# Altium PCB OMD_60V_REF_2.PcbDoc (part 1 of 6)
Units mm, origin at the board's own origin, x right, y up, seen from the top; angles counter-clockwise.
Board outline 71.95 x 71.94 mm, 6 copper layers (Top Layer, L2, L3, L4, L5, Bottom Layer), stack 2.309 mm thick; 139 components, 113 nets, 809 pads, 9892 vias.
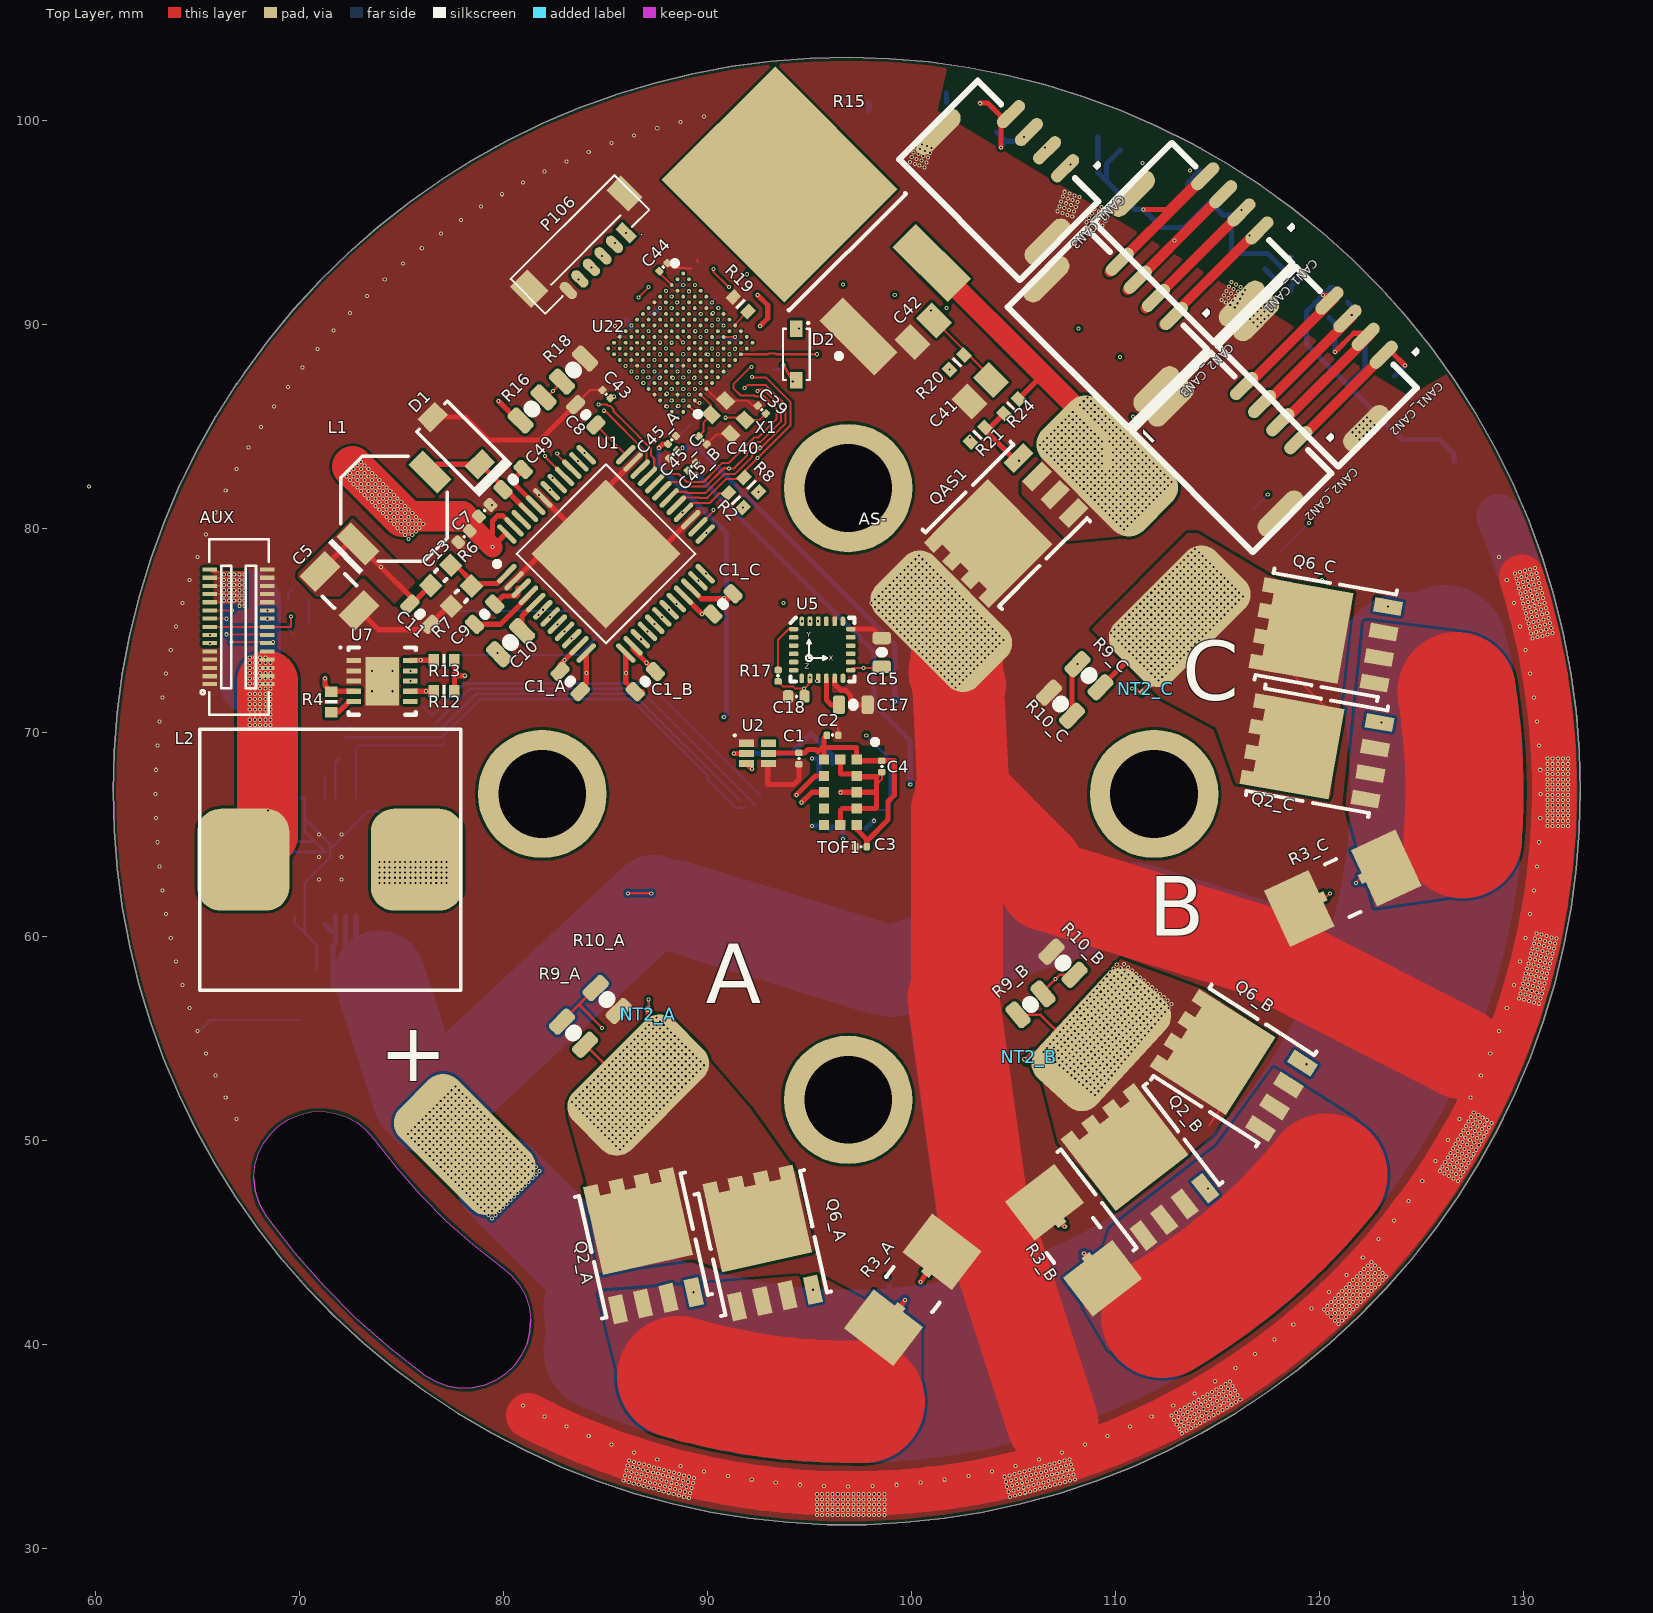
[diagram p0: Top Layer view]
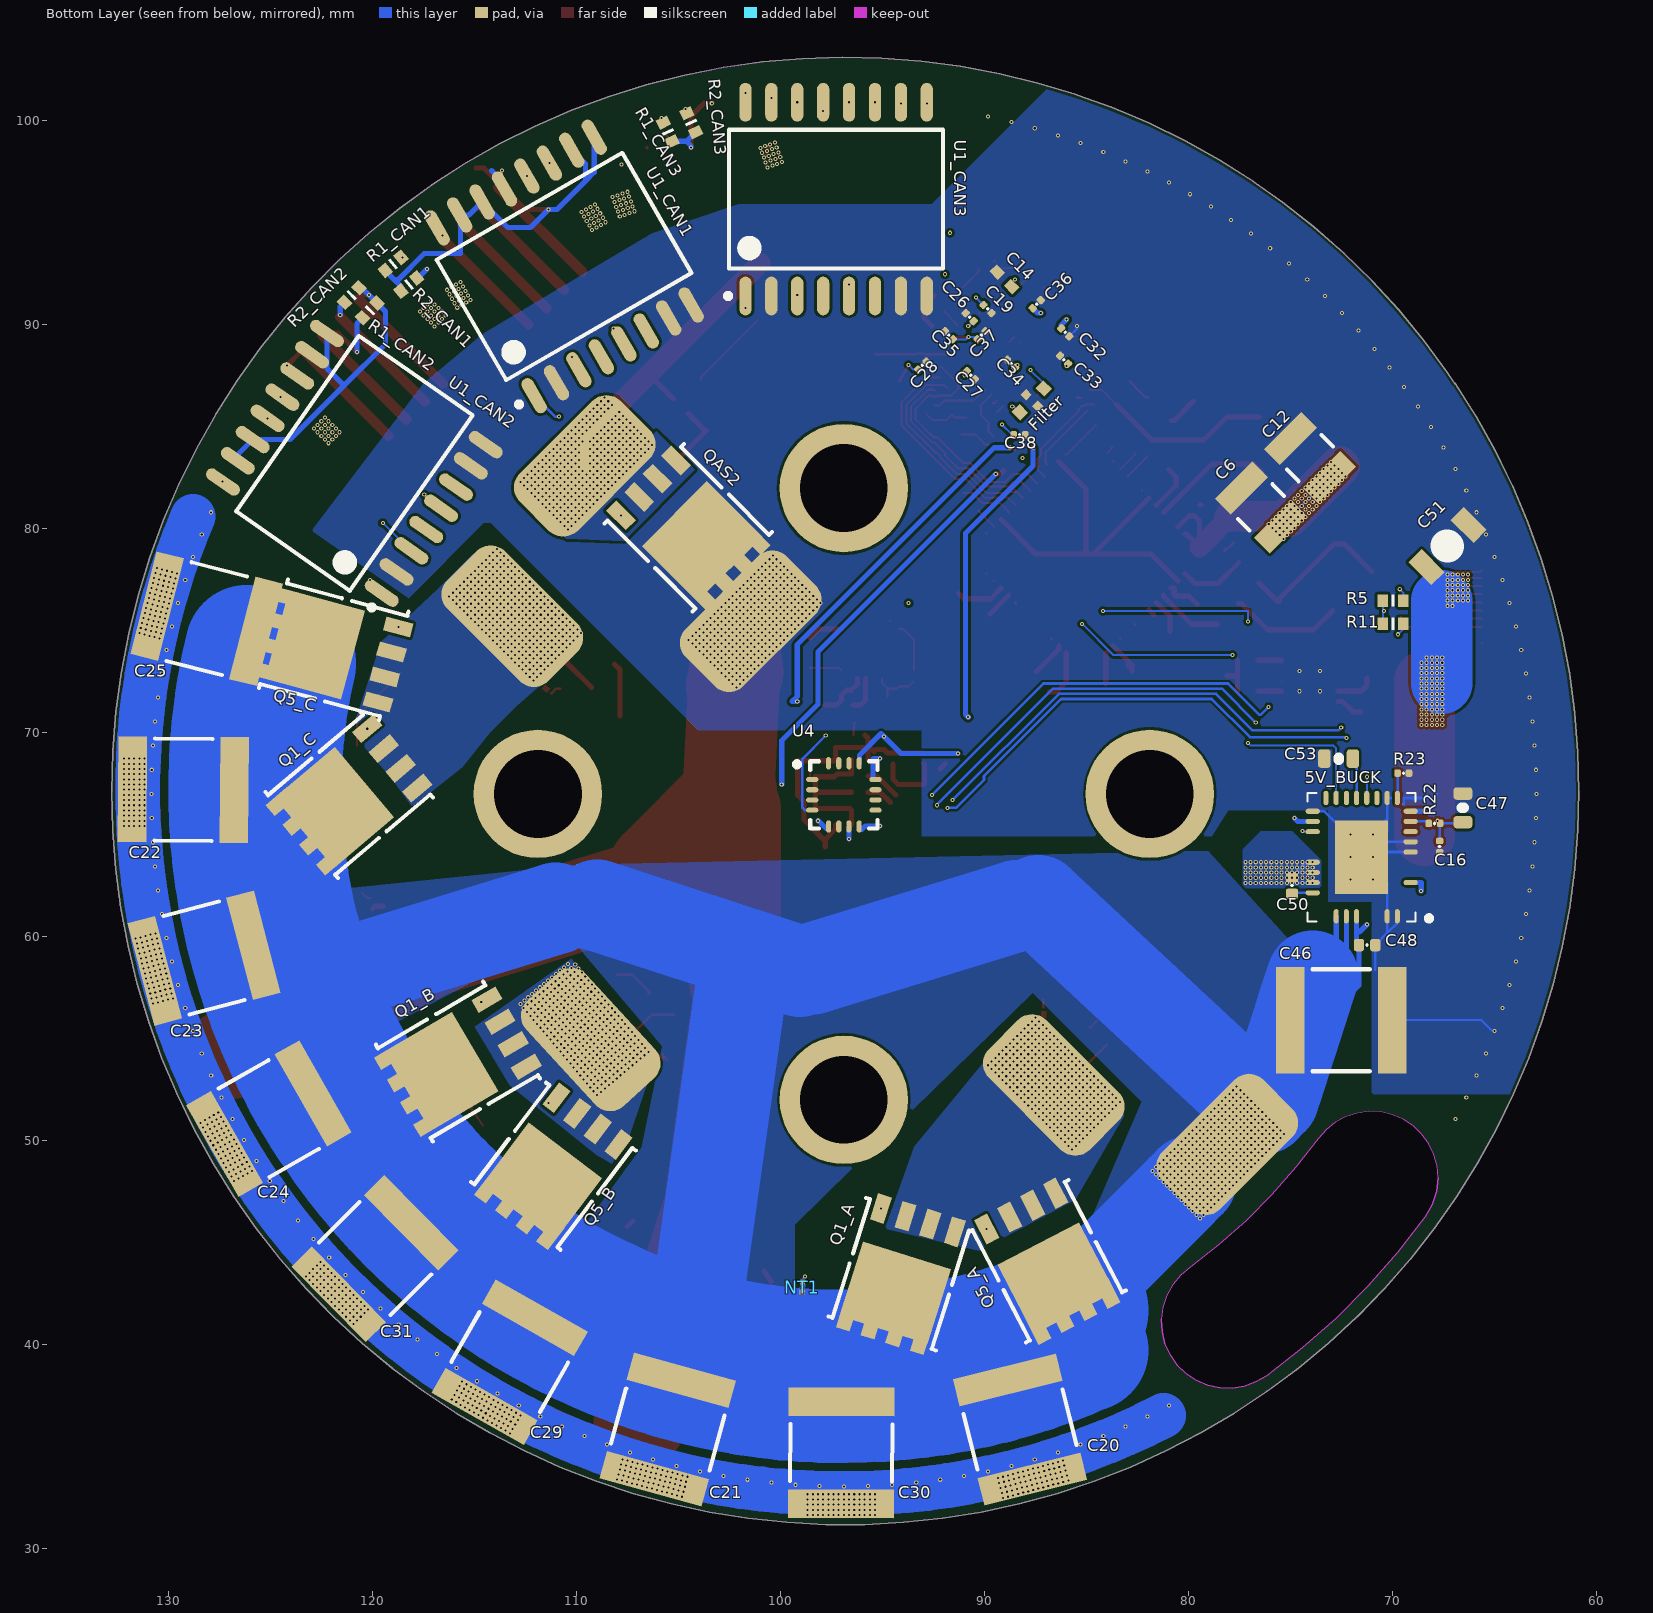
[diagram p1: Bottom Layer view, seen from below]
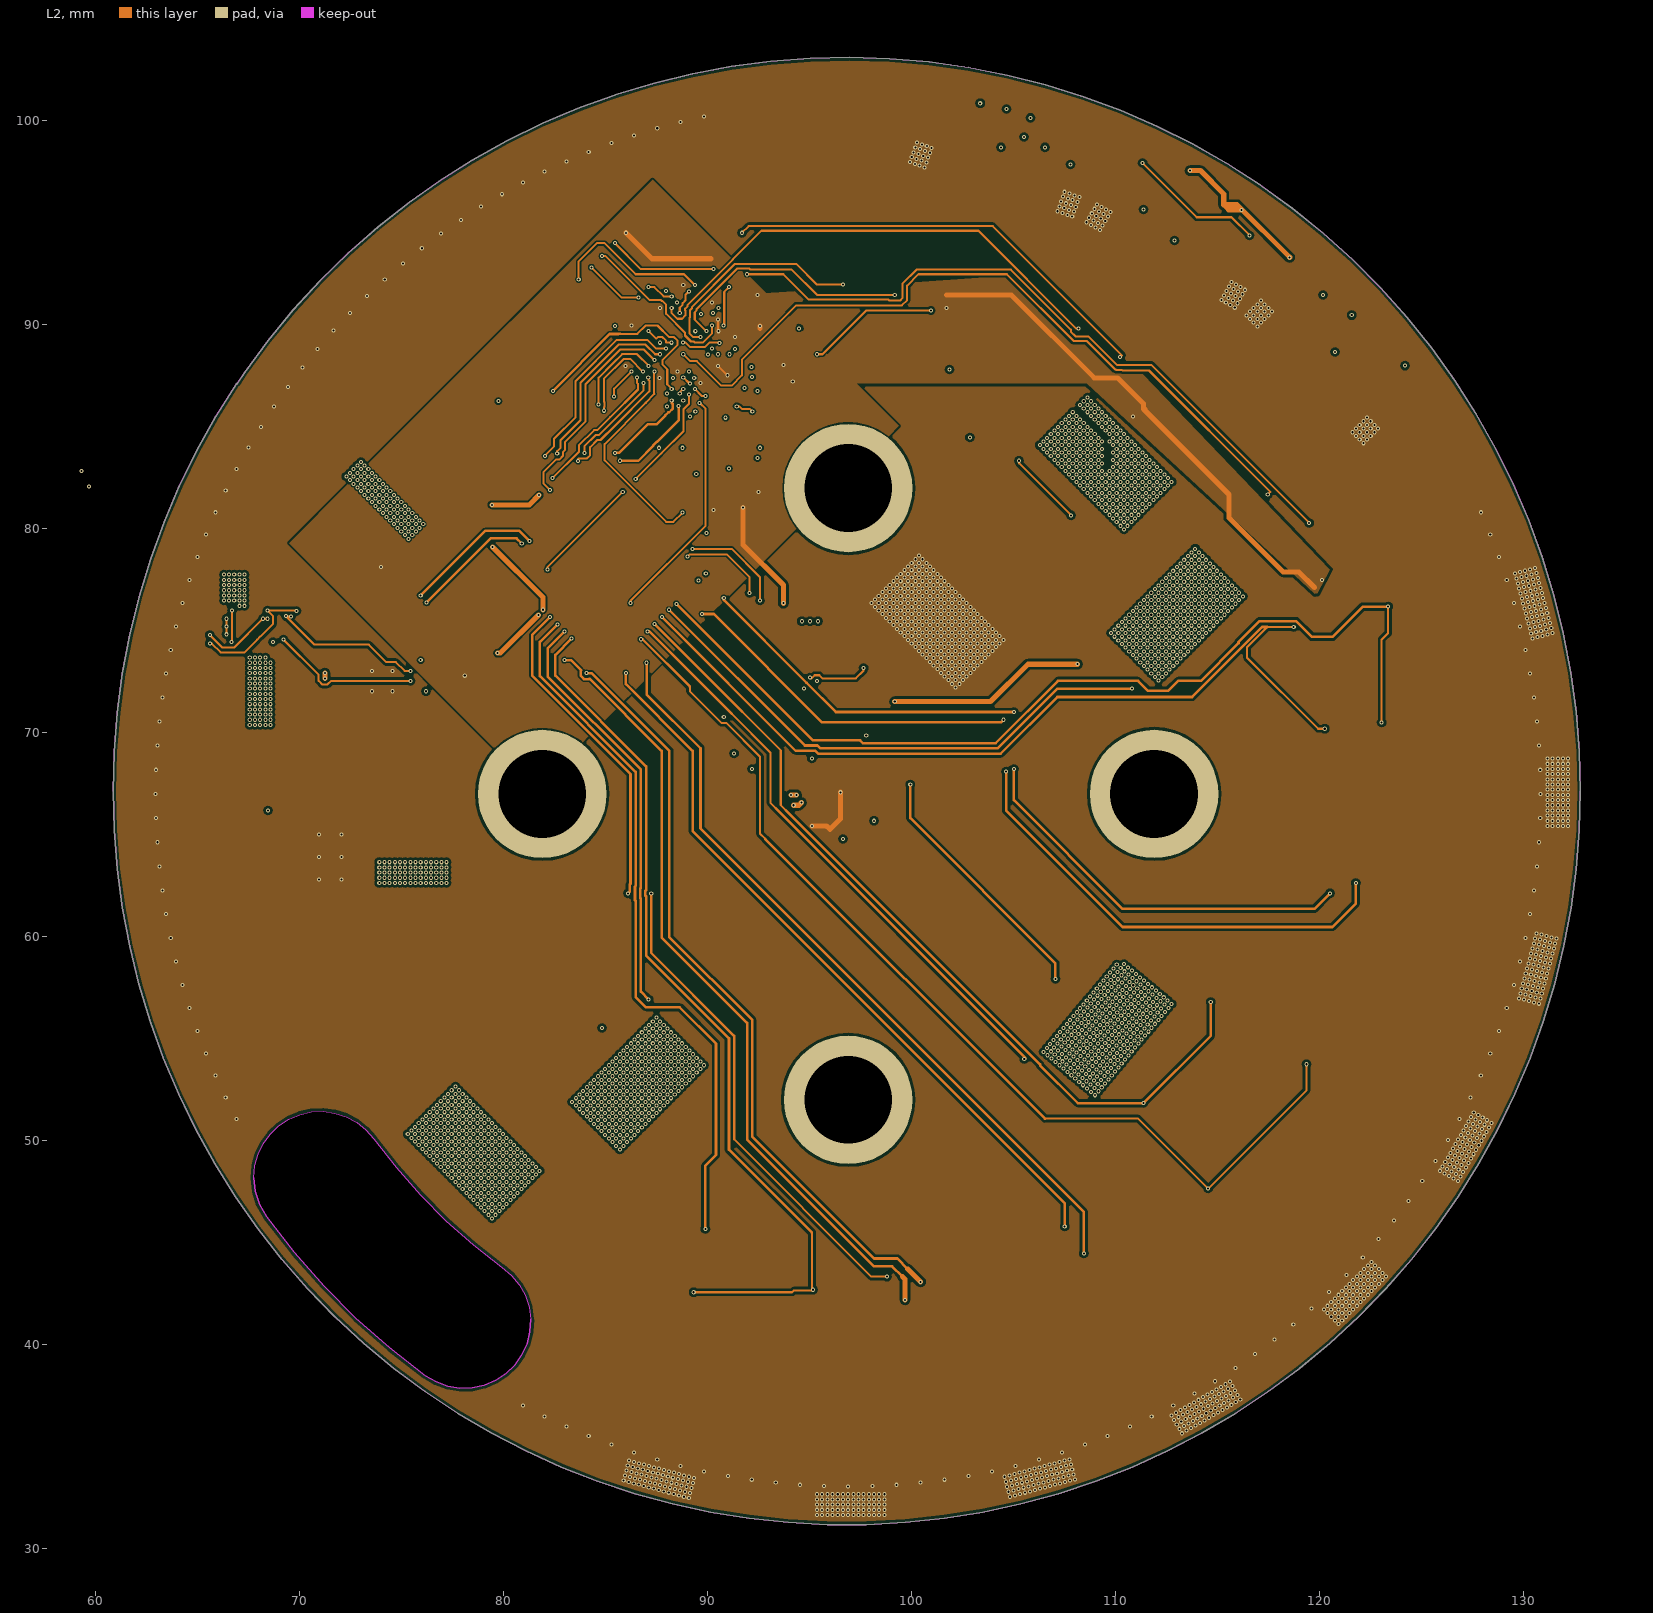
[diagram p2: L2]
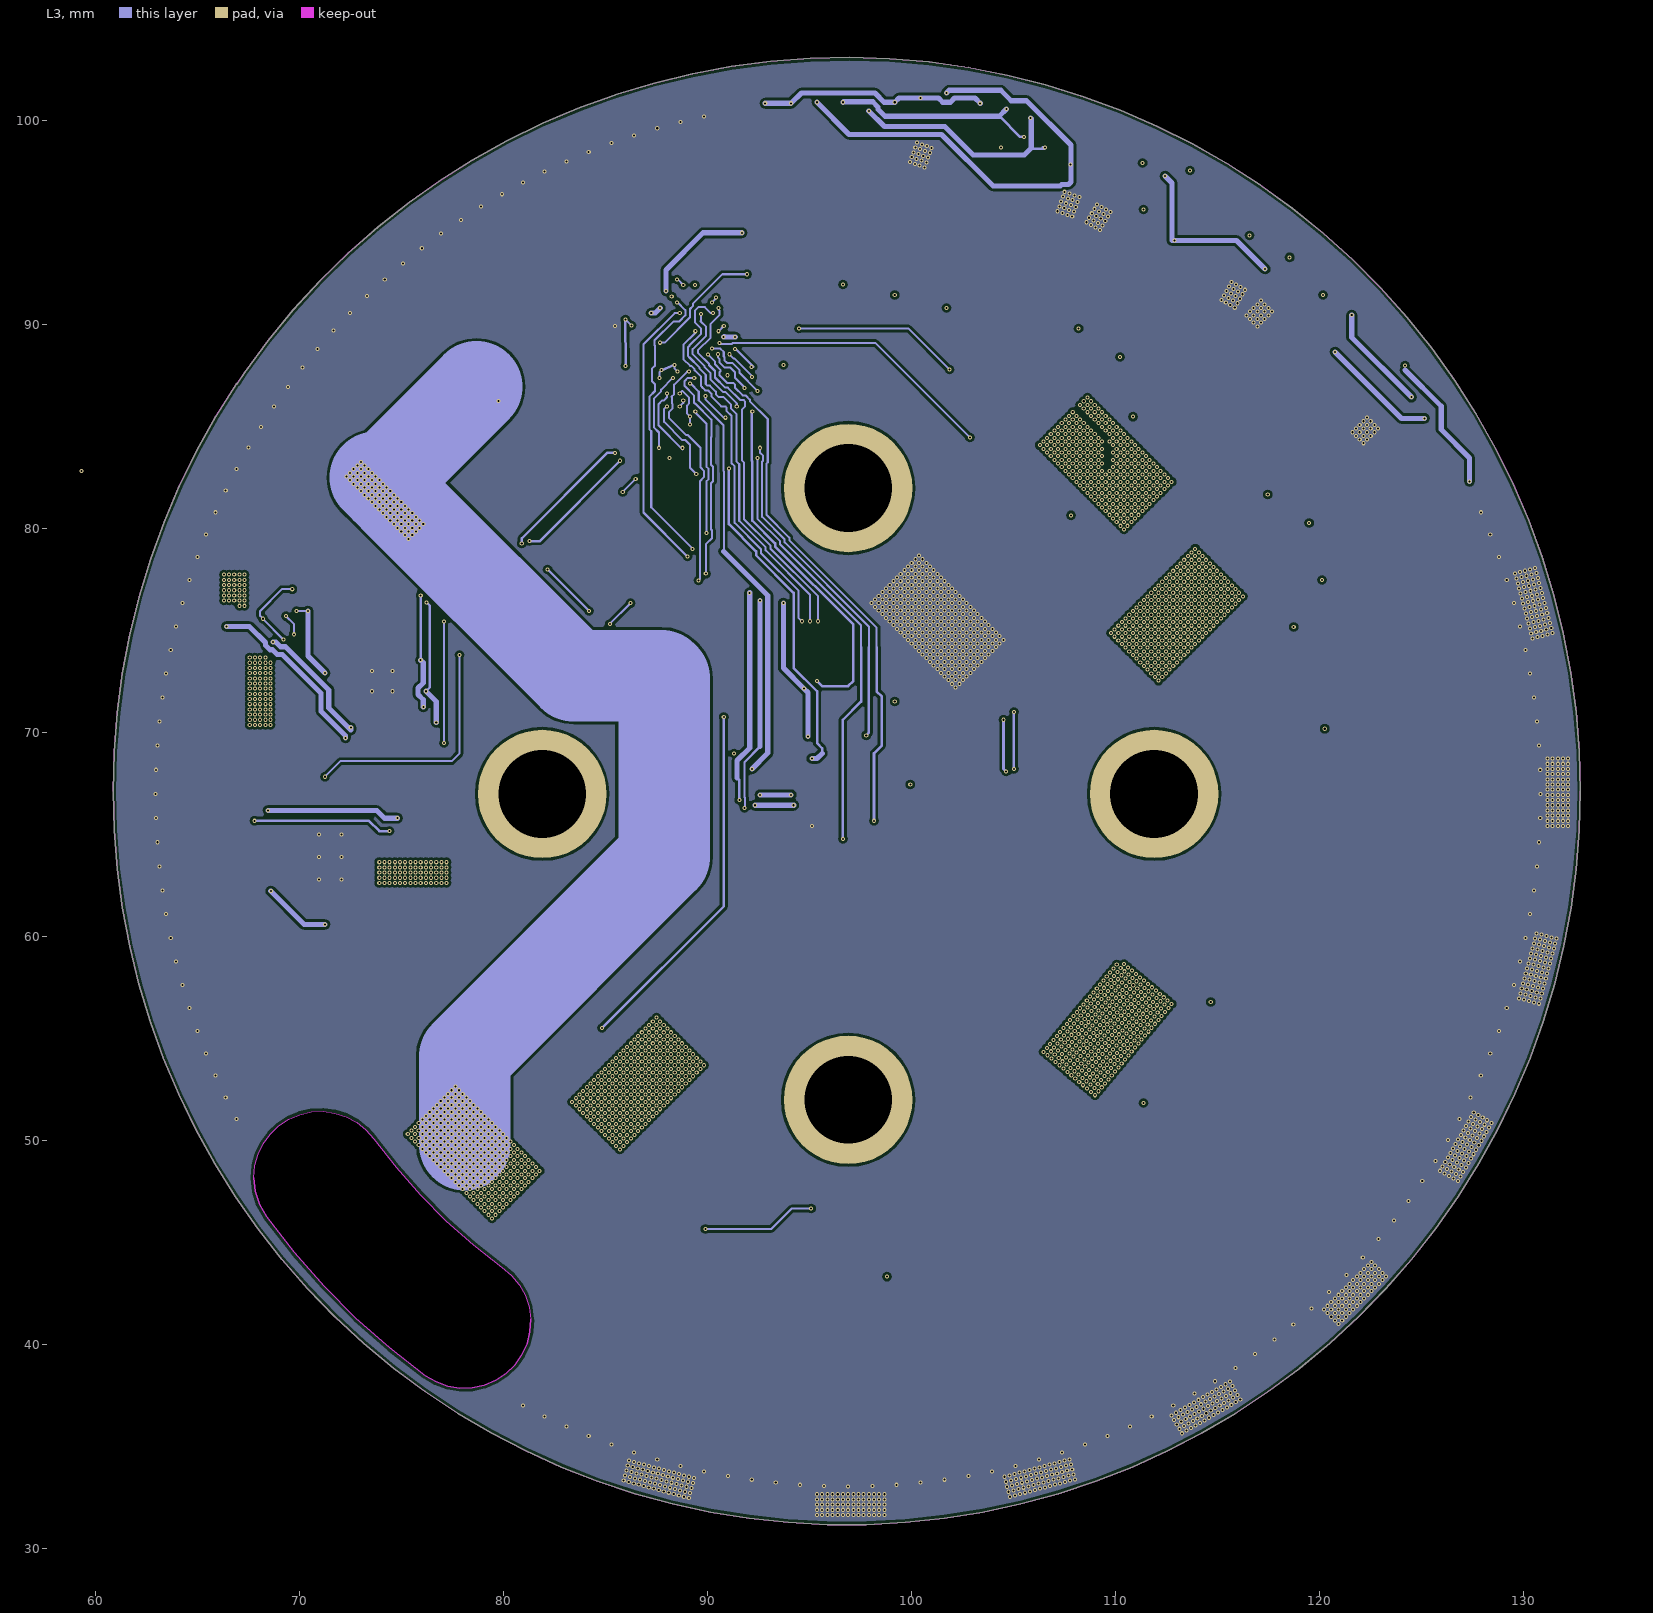
[diagram p3: L3]
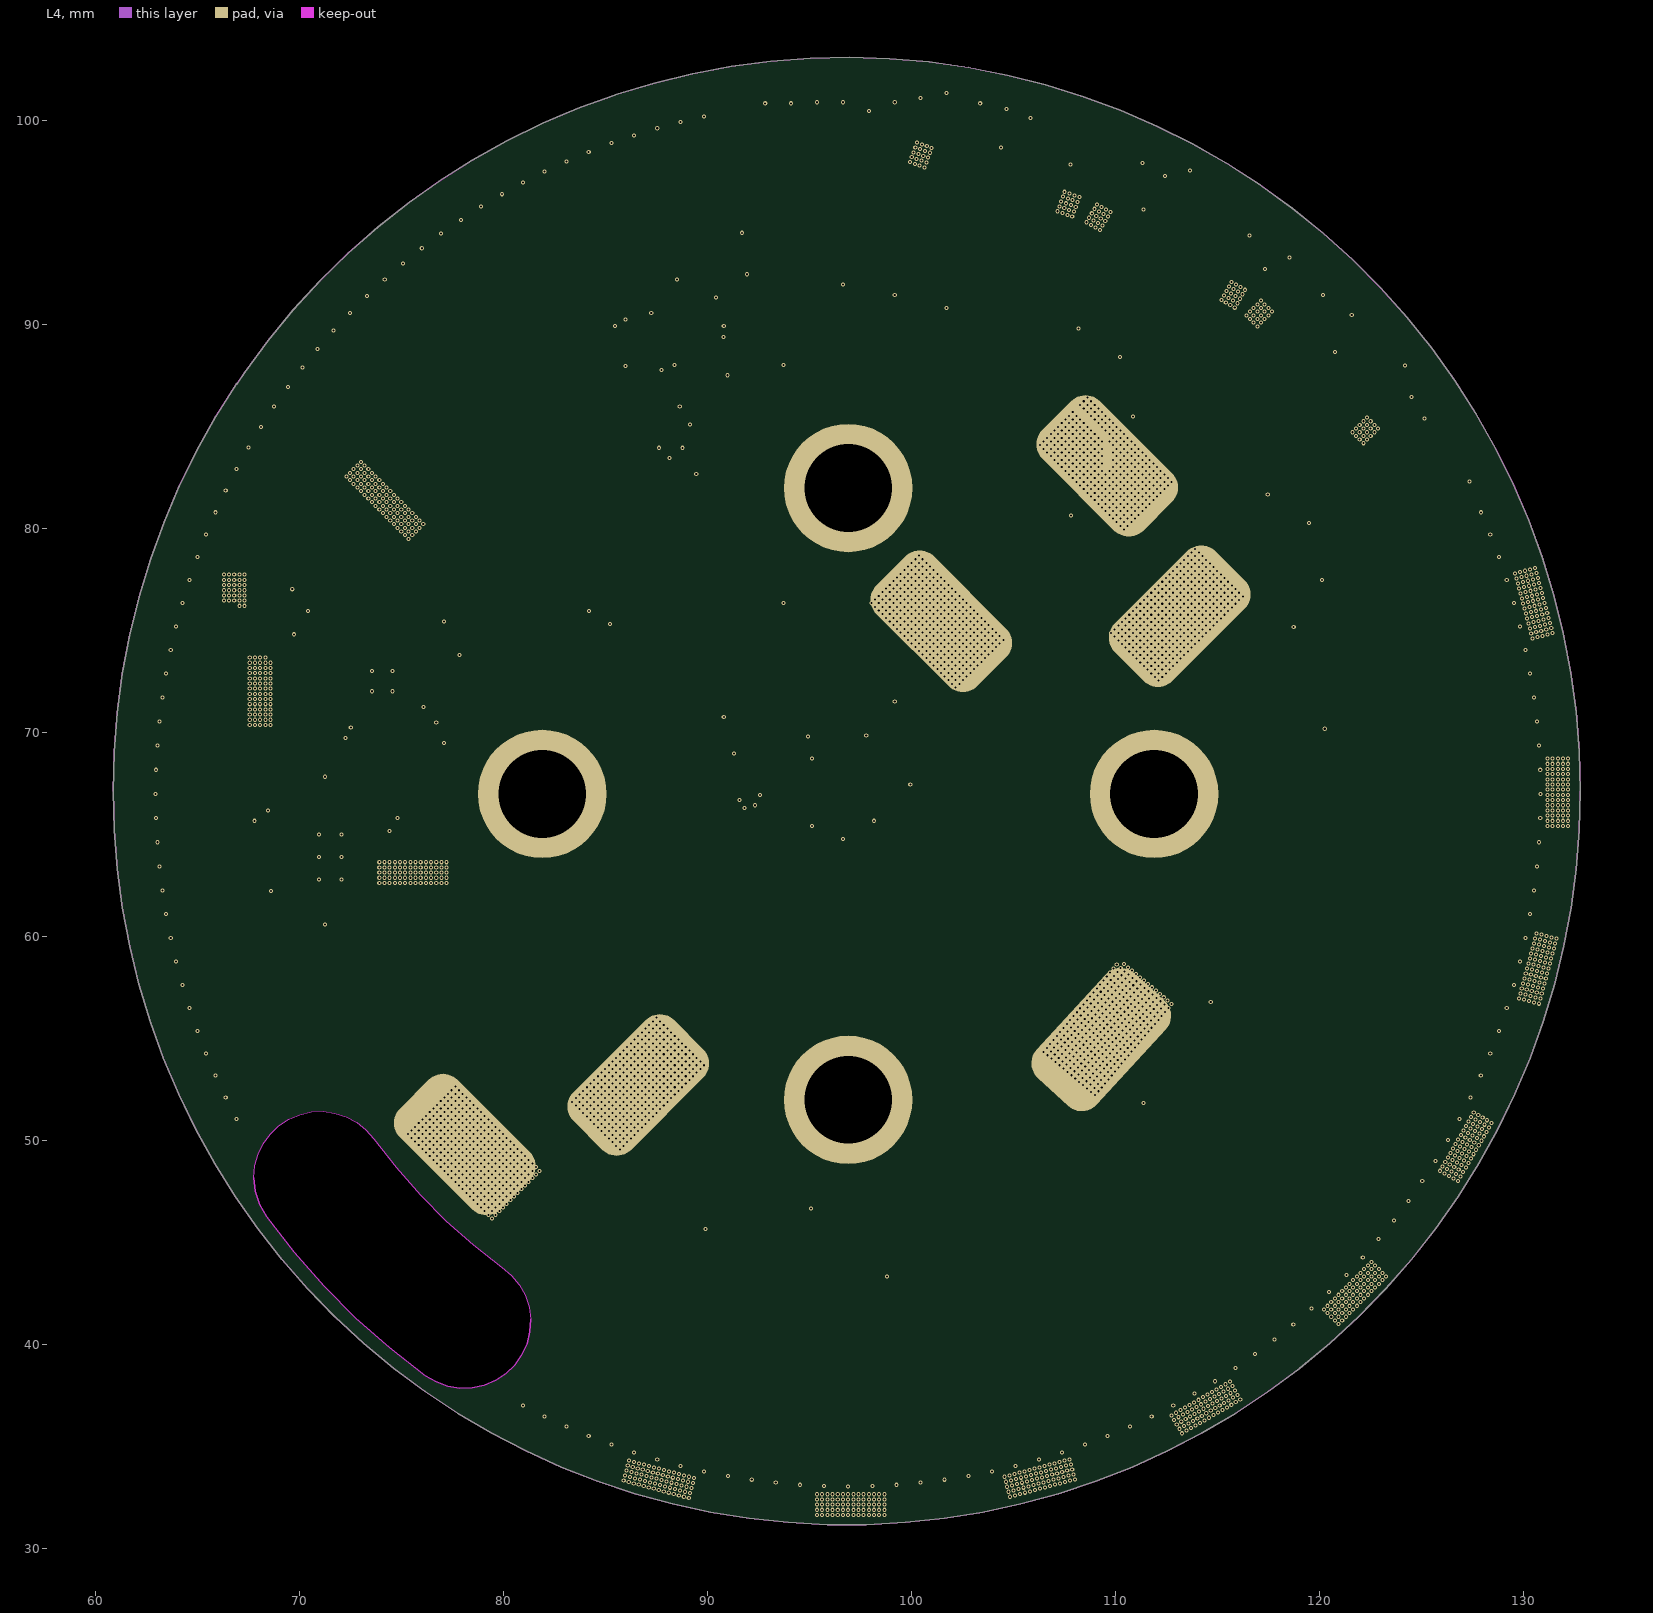
[diagram p4: L4]
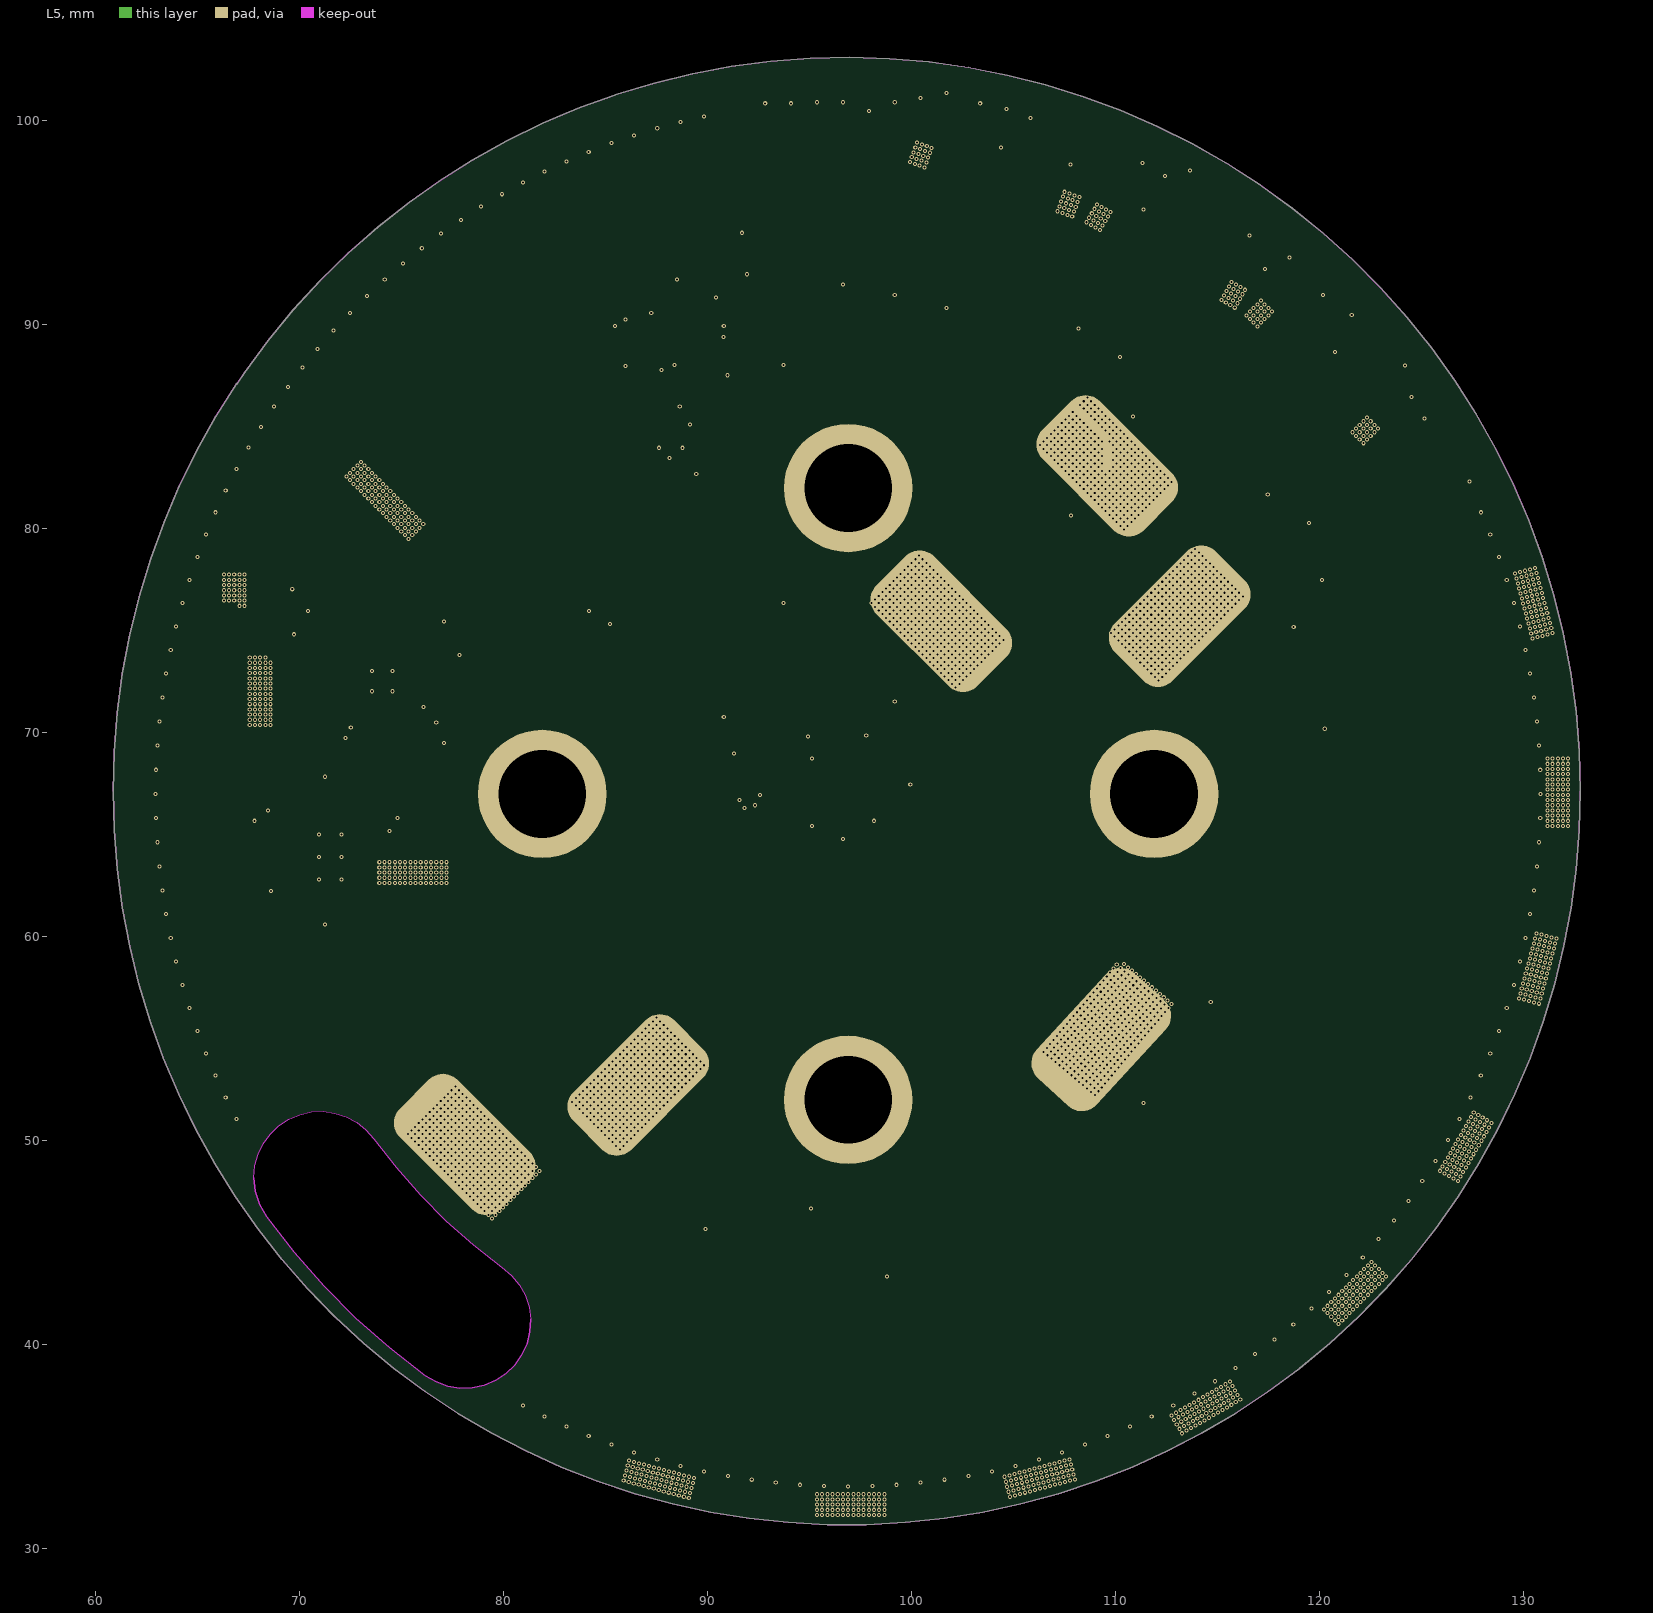
[diagram p5: L5]
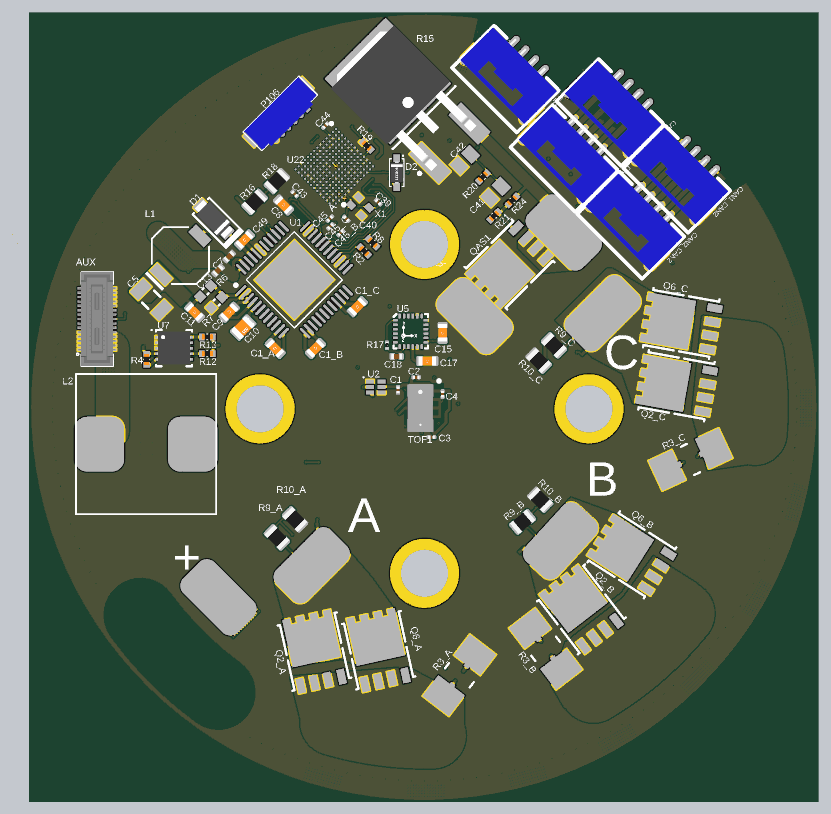
[diagram p11: 3D render of the assembled board from above, using the file's embedded part models]
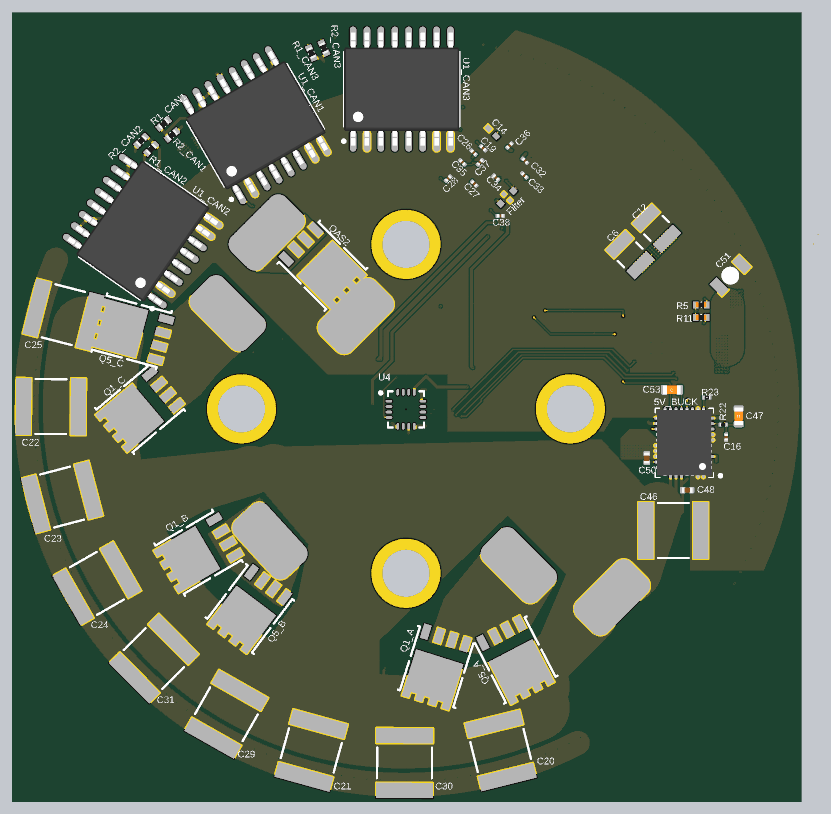
[diagram p12: 3D render of the assembled board from below, using the file's embedded part models]

## Layer stack, top to bottom
Top Solder: solder mask 0.0102, Solder Resist, Dk 3.5
Top Layer: signal copper 0.0356
Dielectric 1: prepreg 0.127, Polyamide, Dk 4.2
L2: signal copper 0.036
Dielectric 2: prepreg 0.127, Polyamide, Dk 4.2
L3: signal copper 0.036
Dielectric 3: core 1.2, FR4, Dk 4.2
L4: signal copper 0.036
Dielectric3: dielectric 0.32, FR-4, Dk 4.8
L5: signal copper 0.036
Dielectric2: dielectric 0.32, FR-4, Dk 4.8
Bottom Layer: signal copper 0.0356
Bottom Solder: solder mask 0.0102, Solder Resist, Dk 3.5

## Board outline
364 vertices, not listed, extent 60.858,31.153 132.808,103.089
cut-out: 71.735,51.33 72.289,51.151 72.802,50.876 73.258,50.514 73.642,50.077 74.74,48.666 75.922,47.325 77.184,46.059 78.521,44.872 79.927,43.769 80.392,43.382 80.777,42.915 81.069,42.385 81.258,41.811 81.336,41.211 81.303,40.607 81.158,40.02 80.906,39.469 80.557,38.975 80.123,38.554 79.618,38.221 79.06,37.988 78.468,37.861 77.864,37.847 77.267,37.945 76.698,38.152 76.178,38.46 74.43,39.816 72.771,41.279 71.207,42.843 69.745,44.502 68.389,46.249 68.049,46.838 67.839,47.484 67.768,48.16 67.82,48.74 67.974,49.301 68.227,49.826 68.569,50.297 68.989,50.699 69.474,51.021 70.009,51.25 70.577,51.38 71.158,51.407
